# Altium PCB 75200_ctrl_407_v3.0.PcbDoc (part 1 of 2) (continued)
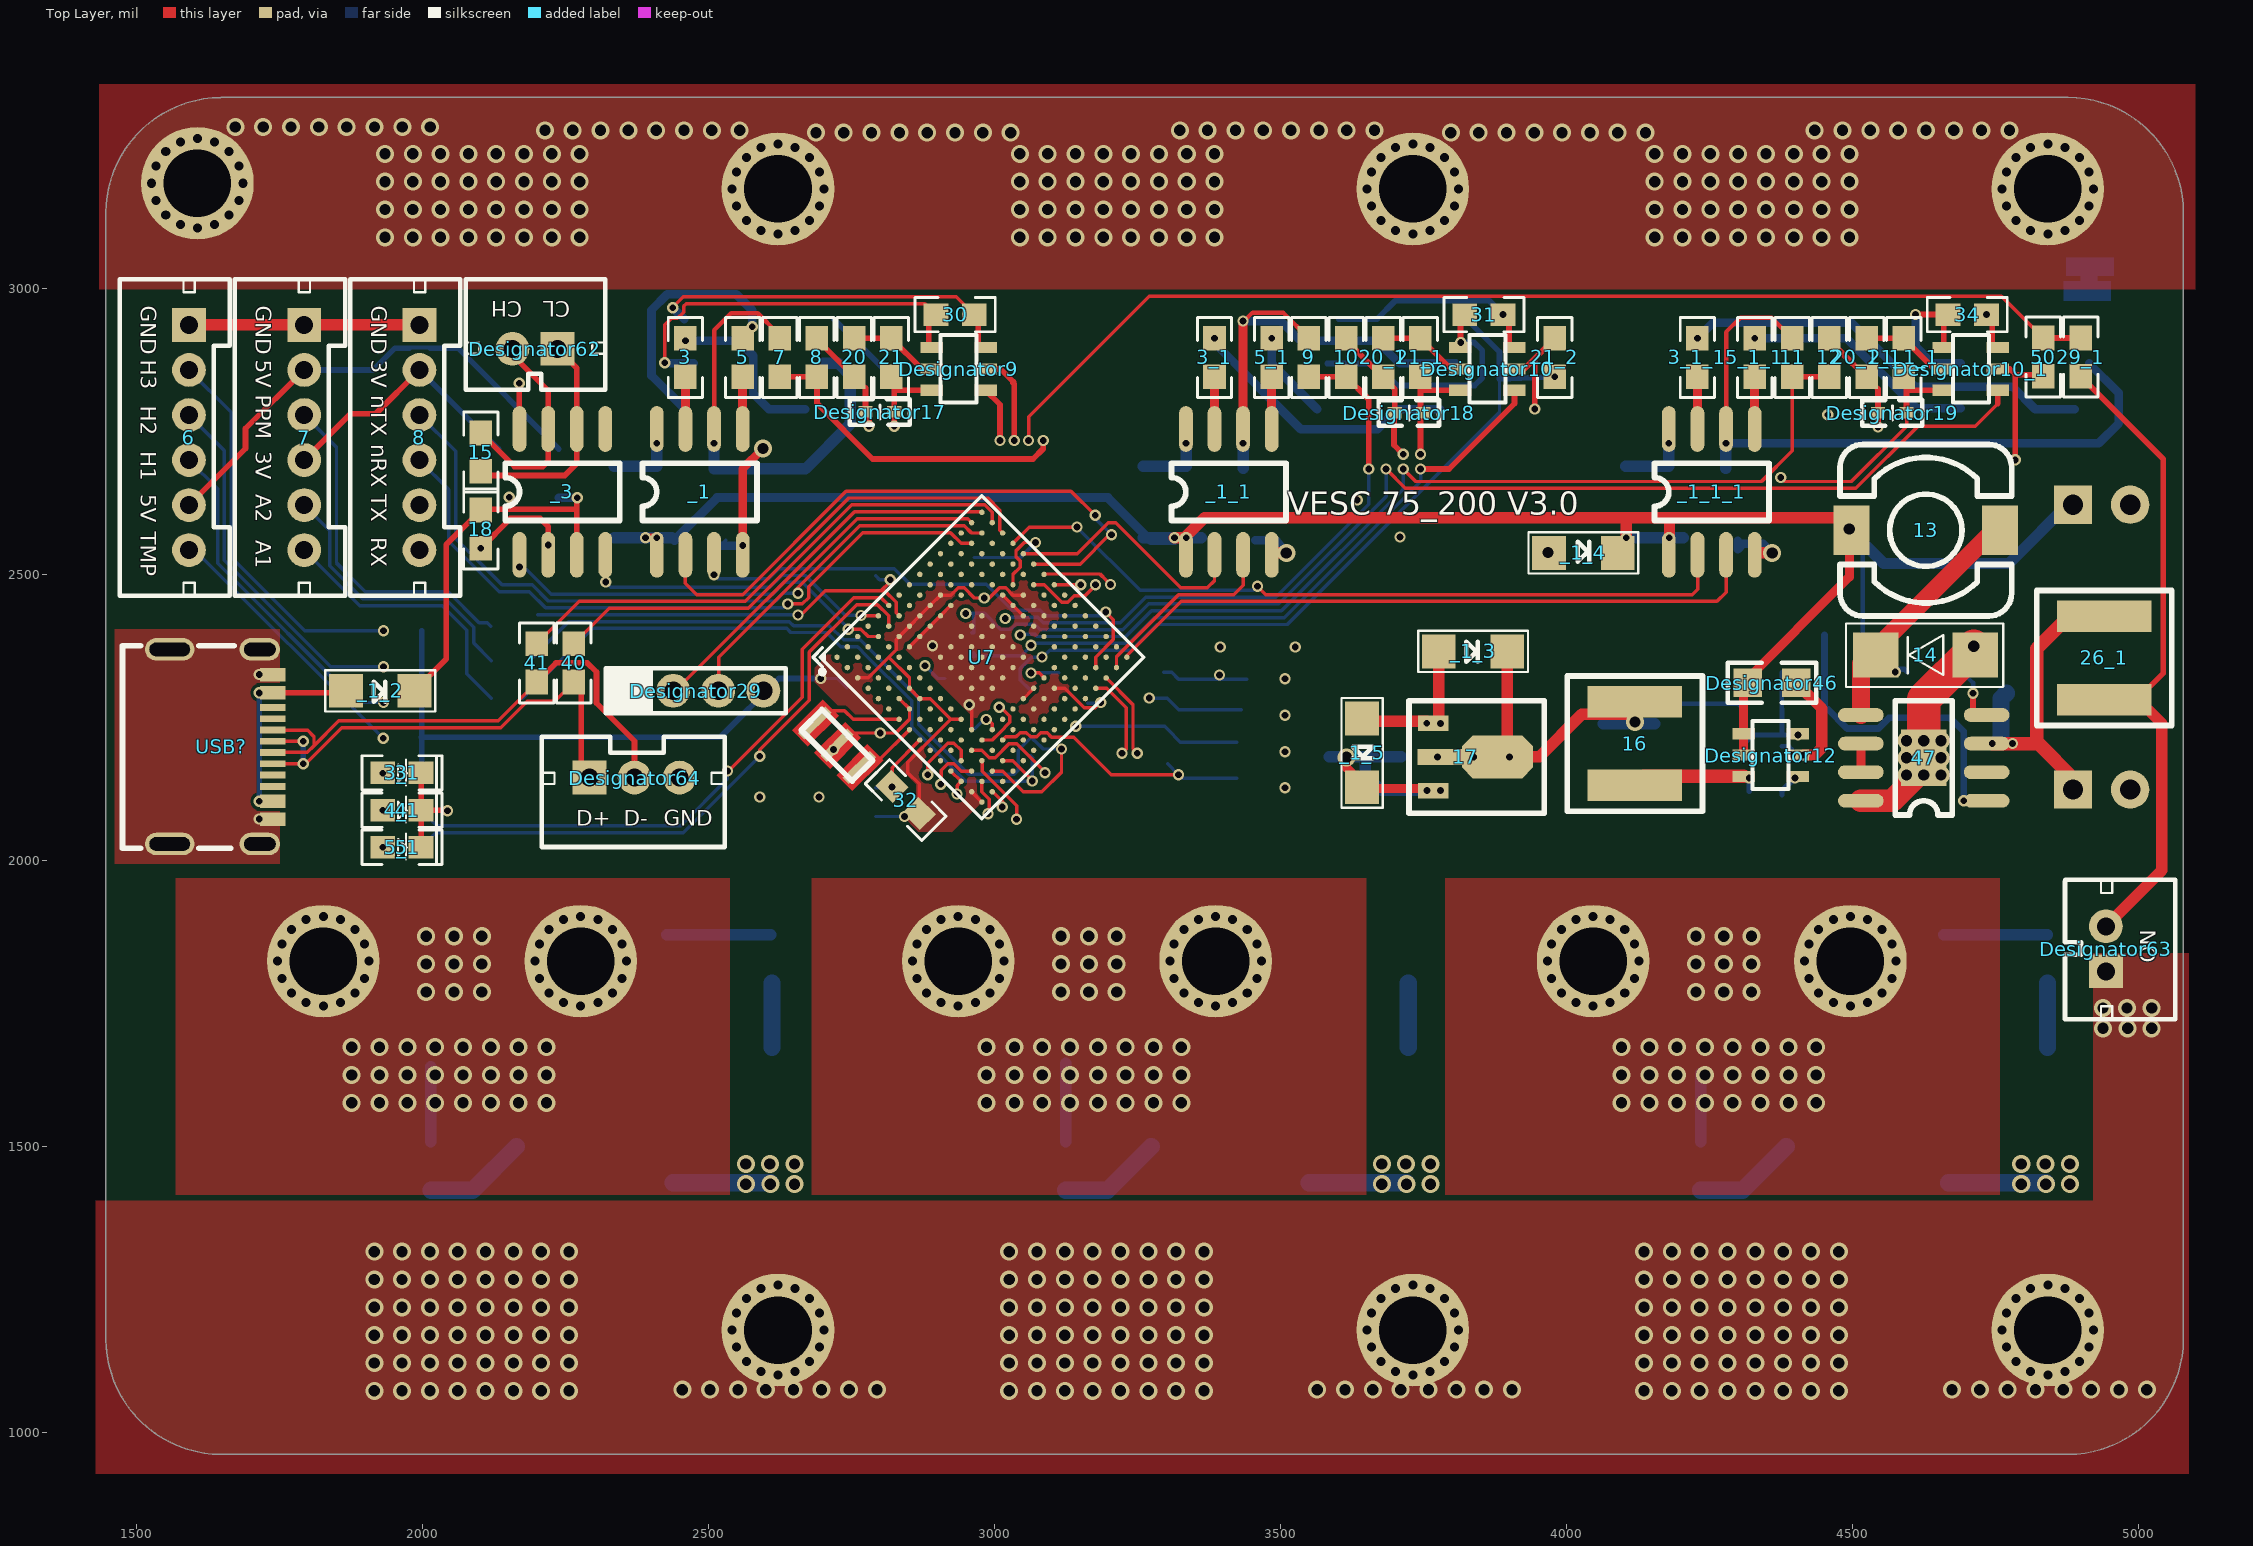
[diagram p0: Top Layer view]
## Components (designator, comment, footprint, x,y, rotation, side; value= is the part's Value field where it differs from the comment)
3 "jb" 0603LED 1964.46,2153.61 r0 top
3 "jb" 0603R 2460,2880 r90 top
3_1 "jb" 0603LED 1964.46,2153.61 r0 top
3_1 "jb" 0603R 3385,2880 r90 top
3_1_1 "jb" 0603R 4229.41,2880 r90 top
3_3_1 "jb" 0603R 2154,2284.13 r0 bottom
3_4_1 "jb" 0603R 2154,2350.13 r0 bottom
4 "jb" 0603LED 1964.46,2088.61 r0 top
4_1 "jb" 0603LED 1964.46,2088.61 r0 top
5 "jb" 0603LED 1964.46,2023.61 r0 top
5 "jb" 0603R 2560,2880 r90 top
5_1 "jb" 0603LED 1964.46,2023.61 r0 top
5_1 "jb" 0603R 3485,2880 r90 top
5_1_1 "jb" 0603R 4329.41,2880 r90 top
6 "Comment" PH2.0-LI-6P 1592,2740.06 r270 top
7 "Comment" PH2.0-LI-6P 1793.5,2740.06 r270 top
7 "jb" 0603R 2625,2880 r90 top
8 "Comment" PH2.0-LI-6P 1995,2740.06 r270 top
8 "jb" 0603R 2690,2880 r90 top
9 "jb" 0603R 3550,2880 r90 top
10 "jb" 0603R 3615,2880 r90 top
11 "jb" 0603R 4395,2880 r90 top
12 "jb" 0603R 4460,2880 r90 top
13 "47uH" SPRH74 4628.67,2578 r270 top (schematic designator L1)
14 "S210" 1N4001 4715,2360 r270 top (schematic designator D1)
15 "jb" 0603R 2102.5,2714.5 r90 top
16 "Comment" SWPA5020S 4120,2205 r90 top
17 "Comment" SOT-89 3967.2,2280.71 r270 top
18 "jb" 0603R 2102.5,2580 r90 top
19 "jb" 0603R 4343.46,2115 r180 bottom
20 "jb" 0603R 2755,2880 r90 top
20_1 "jb" 0603R 3680,2880 r90 top
20_1_1 "jb" 0603R 4525,2880 r90 top
21 "jb" 0603R 2820,2880 r90 top
21_1 "jb" 0603R 3745,2880 r90 top
21_1_1 "jb" 0603R 4590,2880 r90 top
21_2 "jb" 0603R 3980,2880 r90 top
22 "jb" 0603R 4343.46,2265 r180 bottom
23 "jb" 0603R 4343.46,2185 r0 bottom
24 "jb" 0603R 4343.46,2330 r180 bottom
25 "10u/25V" 0805C 4155.15,2149.26 r180 bottom (schematic designator C26)
26_1 "Comment" SWPA5020S 4940.5,2354.63 r270 top
27 "10u/25V" 0805C 4065.15,2149.26 r180 bottom (schematic designator C26)
29_1 "jb" 0603R 4899.5,2880.63 r270 top
30 "jb" 0603R 2931.62,2955 r180 top
31 "jb" 0603R 3856.11,2955 r180 top
32 "jb" 0603R 2845,2106.34 r135 top
34 "jb" 0603R 4701.11,2955 r180 top
35 "jb" 0603R 3775,2214.79 r90 bottom
36 "jb" 0603R 1965,2214.13 r180 bottom
37 "jb" 0603R 1965.54,2402.13 r180 bottom
37_1 "jb" 0603R 3474.67,2190.8 r180 bottom
38 "jb" 0603R 1965.54,2339.47 r180 bottom
38_1 "jb" 0603R 3474.67,2254.47 r180 bottom
39 "jb" 0603R 1965.54,2276.8 r180 bottom
39_1 "jb" 0603R 3474.67,2318.13 r180 bottom
40 "jb" 0603R 2265,2346.02 r270 top
41 "jb" 0603R 2200,2346.02 r270 top
42 "jb" 0603R 1964.46,2023.61 r0 bottom
43 "jb" 0603R 1964.46,2088.61 r0 bottom
44 "jb" 0603R 1964.46,2153.61 r0 bottom
45 "jb" 0603R 3838.17,2214.79 r90 bottom
46_1 "jb" 0603R 3900.67,2215.12 r90 bottom
47 "TPS5430" SO-8-PAD 4625,2180 r180 top (schematic designator TPS1)
49 "jb" 0603R 3474.67,2127.63 r180 bottom
50 "jb" 0603R 4834,2880.63 r270 top
51 "jb" 0603R 2154,2416.16 r0 bottom
52 "jb" 0603R 3711.83,2214.79 r90 bottom
53 "jb" 0603R 3648.67,2214.79 r90 bottom
54 "jb" 0603R 3585.5,2214.79 r90 bottom
_1 "IR21867" SO-8 2410,2535 r90 top (schematic designator U8)
_1_1 "IR21867" SO-8 3335,2535 r90 top (schematic designator U8)
_1_1_1 "IR21867" SO-8 4179.41,2535 r90 top (schematic designator U8)
_1_1_2 "1N4148" 1206R 4764.41,2353.07 r180 bottom
_1_1_3 "1N4148" 1206R 4764.41,2164.65 r180 bottom
_1_2 "1N4148" 1206R 1926.5,2297.25 r270 top
_1_3 "1N4148" 1206R 3837,2366.13 r90 top
_1_4 "1N4148" 1206R 4030,2538.24 r90 top
_1_5 "1N4148" 1206R 3643,2188.63 r0 top
_1_6 "1N4148" 1206R 2335,2625 r180 bottom
_1_6 "10u/25V" 0805C 2440,2560 r90 bottom (schematic designator C26)
_1_6 "10u/25V" 0805C 2416.26,2685.98 r90 bottom (schematic designator C27)
_1_7 "1N4148" 1206R 3260.59,2625 r180 bottom
_1_7 "10u/25V" 0805C 3365.59,2560 r90 bottom (schematic designator C26)
_1_7 "10u/25V" 0805C 3341.85,2685.98 r90 bottom (schematic designator C27)
_1_8 "1N4148" 1206R 4104,2624.76 r180 bottom
_1_8 "10u/25V" 0805C 4209,2559.76 r90 bottom (schematic designator C26)
_1_8 "10u/25V" 0805C 4185.26,2685.74 r90 bottom (schematic designator C27)
_2 "10u/25V" 0805C 4585,2540 r180 bottom (schematic designator C26)
_2 "jb" 0603R 4485,2330 r0 bottom
_2 "jb" 0603R 4630,2330 r0 bottom
_2 "jb" 0603R 4485,2395 r180 bottom
_2 "jb" 0603R 4485,2265 r0 bottom
_2 "100u" 1210 4715,2520 r90 bottom (schematic designator C3)
_3 "IR21867" SO-8 2170,2535 r90 top (schematic designator U8)
Designator9 "Comment" SOT23-6 2985,2822.6 r270 top
Designator10 "Comment" SOT23-6 3909.49,2822.6 r270 top
Designator10_1 "Comment" SOT23-6 4754.49,2822.6 r270 top
Designator12 "Comment" SOT23-6 4404.49,2147.6 r270 top
Designator17 "Comment" 0402L 2777.48,2787.17 r0 top
Designator18 "Comment" 0402L 3702.48,2785.63 r0 top
Designator19 "Comment" 0402L 4547.48,2785.63 r0 top
Designator20 "Comment" 0402L 2962,2532.5 r180 bottom
Designator21 "Comment" 0402L 3160.52,2323.67 r180 bottom
Designator23 "Comment" 0402L 2961.49,2460.67 r180 bottom
Designator27 "Comment" 0402L 2790.02,2304.4 r180 bottom
Designator29 "Comment" HDR2.0-LI-4P 2478.17,2297.36 r0 top
Designator31 "Comment" 0402L 3015,2215.5 r0 bottom
Designator31_1 "Comment" 0805 2238.5,2635.13 r90 bottom
Designator32 "Comment" 0402L 3015,2178.13 r0 bottom
Designator33 "Comment" 0402L 2790.02,2493.98 r180 bottom
Designator34 "Comment" 0402L 3305.48,2174.47 r0 bottom
Designator35 "Comment" 0402L 3161,2277.5 r180 bottom
Designator36 "Comment" 0402L 2961.41,2230.33 r180 bottom
Designator37 "Comment" 0402L 2961.49,2401.16 r180 bottom
Designator38 "Comment" 0402L 2961.41,2361.03 r180 bottom
Designator39 "Comment" 0402L 2961.41,2320.9 r180 bottom
Designator40 "Comment" 0805 2151.5,2635.13 r90 bottom
Designator41 "Comment" 0402L 3015,2296.5 r0 bottom
Designator42 "Comment" 0402L 2790.52,2080.67 r180 bottom
Designator43 "Comment" 0402L 3305.52,2334.63 r0 bottom
Designator44 "Comment" 0402L 3305.48,2227.97 r0 bottom
Designator45 "Comment" 0402L 3305.52,2281.5 r0 bottom
Designator46 "Comment" 0805 4317,2311.13 r0 top
Designator47 "Comment" 0402L 2790.02,2134.17 r180 bottom
Designator47_1 "Comment" 0805 4235,1509.13 r270 bottom
Designator47_1 "Comment" 0805 3125,1509.13 r270 bottom
Designator47_2 "Comment" 0805 2015,1509.13 r270 bottom
Designator47_3 "Comment" 0805 2611.35,1871.13 r270 bottom
Designator47_3_1 "Comment" 0805 3723.85,1871.13 r270 bottom
Designator47_3_2 "Comment" 0805 4841.35,1871.13 r270 bottom
Designator47_3_3 "Comment" 0805 3550.5,1437.13 r270 bottom
Designator47_3_4 "Comment" 0805 2438.5,1437.13 r270 bottom
Designator47_3_5 "Comment" 0805 4668.5,1437.13 r270 bottom
Designator62 "Comment" PH2.0-LI-2P 2197,2895.13 r180 top
Designator63 "Comment" PH2.0-LI-2P 4943.5,1846.13 r90 top
Designator64 "Comment" PH2.0-LI-3P 2371,2145.63 r0 top
Designator74 "Comment" HDR2.54-LI-2P 4936,2622.63 r0 bottom
Designator74_1 "Comment" HDR2.54-LI-2P 4936,2622.63 r0 bottom
Designator75 "Comment" HDR2.54-LI-2P 4936,2124.63 r0 bottom
R11_1_1 "0.5mR" 2512 4379.85,1280.23 r180 bottom (schematic designator R11)
R11_1_1 "0.5mR" 2512 3269.85,1280.23 r180 bottom (schematic designator R11)
R11_1_2 "0.5mR" 2512 2159.85,1280.23 r180 bottom (schematic designator R11)
R11_1_3 "0.5mR" 2512 2613.15,1674.04 r0 bottom (schematic designator R11)
R11_1_3_1 "0.5mR" 2512 3724.65,1674.04 r0 bottom (schematic designator R11)
R11_1_3_2 "0.5mR" 2512 4843.15,1674.04 r0 bottom (schematic designator R11)
U7 "UFBGA-201_L10.0-W10.0-P0.65-BL_STM32F407IGH6" UFBGA-201_L10.0-W10.0-P0.65-BL_STM32F407IGH6 2978.38,2356 r315 top (schematic designator U4)
U? "HDR-SMD_6P-P2.00-V-F-R2-C3-LS6.5" HDR-SMD_6P-P2.00-V-F-R2-C3-LS6.5 2581.27,2868.93 r270 bottom locked
U?1 "HDR-SMD_6P-P2.00-V-F-R2-C3-LS6.5" HDR-SMD_6P-P2.00-V-F-R2-C3-LS6.5 3691.27,2868.93 r270 bottom locked (schematic designator U?)
U?2 "HDR-SMD_6P-P2.00-V-F-R2-C3-LS6.5" HDR-SMD_6P-P2.00-V-F-R2-C3-LS6.5 4801.27,2868.93 r270 bottom locked (schematic designator U?)
USB? "USB-C-SMD_USB-310D-B-SU" USB-C-SMD_USB-310D-B-SU 1606,2199.63 r270 top
X1 "8M" CSTCE 2787.64,2175.53 r135 top

## Footprints (in the part's own frame and the unit in brackets; to place one, negate y for a bottom-side part, rotate by r counter-clockwise, add the part's x,y. Pads: shape width x height; smd on the part's side, far side on the other; paste and mask are expansions set on the pad)
1N4001 [mil]
  rect 79x79 smd: 1(0,0) 2(0,-174)
  silkscreen extent -55,-226 56,49
0402L [mil]
  rect 25x20 smd: 1(-2.48,-2.17) 2(47.52,-2.17)
  silkscreen extent -30,-25 75,20, body extent 7,-12 40,8, height 10
0603LED [mm] "Chip Resistor; Body 1.6 x 0.8 mm (LxW typ)"
  rect 1.1x1 smd: 1(-0.85,0) 2(0.85,0)
  silkscreen extent -1.78,-0.76 1.78,0.76, body extent -0.78,-0.39 0.84,0.41, height 0.8
0603R [mm] "Chip Resistor; Body 1.6 x 0.8 mm (LxW typ)"
  rect 1.1x1 smd: 1(-0.85,0) 2(0.85,0)
  silkscreen extent -1.78,-0.76 1.78,0.76, body extent -0.82,-0.4 0.78,0.42, height 0.65
0805 [mil]
  rect 50x50 smd: 1(0,0) 2(85,0)
  silkscreen extent -35,-35 120,35, body extent 3,-25 81,25, height 22
0805C [mm]
  rect 1.3x1.2 smd: 1(0.004,0.019) 2(0.004,2.305)
  silkscreen extent -1,-1 1,3.3
1206R [mm]
  rect 1.5x1.5 smd: 1(0,1.524) 2(0,-1.524)
  silkscreen extent -0.91,-2.44 0.91,2.44, body extent -0.79,-1.53 0.81,1.67, height 1.2
1210 [mil]
  rect 60x100 smd: 1(0,0) 2(135,0)
  silkscreen extent -50,-70 185,70
2512 [mil]
  rect 130x80 smd: 1(-4.65,0.4) 2(-4.65,220.4)
  silkscreen extent -80,-45 70,265
CSTCE [mm]
  rect 0.4x1.7 smd: 1(0.2,0.65) 2(1.6,0.65) 3(3,0.65)
  silkscreen extent 0,0 3.2,1.3
HDR2.0-LI-4P [mm] "直插，脚距：2.0mm"
  round 1.5 hole 0.8: 1(-3,0) 2(-1,0) 3(1,0) 4(3,0)
  silkscreen extent -4,-1 4,1, body extent -4,-1 4,1, height 6.5
HDR2.54-LI-2P [mm] "排针，2脚"
  rect 1.7x1.7 hole 0.9: 1(-1.27,0)
  round 1.7 hole 0.9: 2(1.27,0)
  silkscreen extent -2.54,-1.27 2.54,1.27, body extent -2.54,-1.27 2.54,1.27, height 8.5
HDR-SMD_6P-P2.00-V-F-R2-C3-LS6.5 [mm]
  rect 0.89x3 smd: 1(-1.985,-2.235) 2(-1.985,2.265) 3(0.015,-2.235) 4(0.015,2.265) 5(2.015,-2.235) 6(2.015,2.265)
  silkscreen extent -3.39,-3.03 3.42,2.09
PH2.0-LI-2P [mm] "长：5.9mm，宽：4.7mm，高：6mm"
  rect 1.5x1.5 hole 0.8: 1(-1,0)
  round 1.5 hole 0.8: 2(1,0)
  silkscreen extent -3.13,-3.08 3.06,1.82, body extent -2.95,-3 2.95,1.7, height 6.01
PH2.0-LI-3P [mm] "长：7.9mm，宽：4.7mm，高：6mm"
  rect 1.5x1.5 hole 0.8: 1(-2,0)
  round 1.5 hole 0.8: 2(0,0) 3(2,0)
  silkscreen extent -4.13,-3.08 4,1.82, body extent -3.95,-3 3.95,1.7, height 6.01
PH2.0-LI-6P [mm] "长：13.9mm，宽：4.7mm，高：6mm"
  rect 1.5x1.5 hole 0.8: 1(-5,0)
  round 1.5 hole 0.8: 2(-3,0) 3(-1,0) 4(1,0) 5(3,0) 6(5,0)
  silkscreen extent -7.03,-3.08 7.03,1.82, body extent -6.95,-3 6.95,1.7, height 6.01
SO-8 [mil]
  oval 80x24 smd: 1(0,0) 2(0,-50) 3(0,-100) 4(0,-150) 5(220,-150) 6(220,-100) 7(220,-50) 8(220,0)
  silkscreen extent 60,-175 160,25
SO-8-PAD [mil]
  oval 80x24 smd: 1(-110,75) 2(-110,25) 3(-110,-25) 4(-110,-75) 5(110,-75) 6(110,-25) 7(110,25) 8(110,75)
  rect 78.74x98.43 smd: 9(0,0)
  silkscreen extent -50,-100 50,100
SOT23-6 [mm]
  rect 0.5x1 smd: 1(0,0) 2(-0.95,0) 3(-1.9,0) 4(-1.9,-2.4) 5(-0.95,-2.4) 6(0,-2.4)
  silkscreen extent -2.45,-2 0.55,-0.4, body extent -2.4,-2.6 0.5,0.2, height 1.09
SOT-89 [mm]
  rect 0.7x1.35 smd: 1(1.016,-5.08) 3(4.016,-5.08)
  oct 1.9x3.15 smd: 2(2.516,-2.215)
  rect 0.7x1.99 smd: 2(2.516,-4.785)
  silkscreen extent 0.02,-6.15 5.02,-0.15
SPRH74 [mm]
  rect 2.2x1.6 smd: 1(0,3.302) 2(0,-3.302)
  silkscreen extent -3.81,-3.81 3.81,3.81
SWPA5020S [mm] "轮廓5mm*5mm ，焊盘间距2.3mm        淘宝ID:黄晶宝石"
  rect 1.4x4.2 smd: 1(-1.85,0) 2(1.85,0)
  silkscreen extent -3,-3 3,3, body extent -2.5,-2.5 2.5,2.5, height 2
UFBGA-201_L10.0-W10.0-P0.65-BL_STM32F407IGH6 [mil]
  round 9.5 smd: A1(-179.13,-179.13) A2(-179.13,-153.54) A3(-179.13,-127.95) A4(-179.13,-102.36) A5(-179.13,-76.77) A6(-179.13,-51.18) A7(-179.13,-25.59) A8(-179.13,0) A9(-179.13,25.59) A10(-179.13,51.18) A11(-179.13,76.77) A12(-179.13,102.36) A13(-179.13,127.95) A14(-179.13,153.54) A15(-179.13,179.13) B1(-153.54,-179.13) B2(-153.54,-153.54) B3(-153.54,-127.95) B4(-153.54,-102.36) B5(-153.54,-76.77) B6(-153.54,-51.18) B7(-153.54,-25.59) B8(-153.54,0) B9(-153.54,25.59) B10(-153.54,51.18) B11(-153.54,76.77) B12(-153.54,102.36) B13(-153.54,127.95) B14(-153.54,153.54) B15(-153.54,179.14) C1(-127.95,-179.13) C2(-127.95,-153.54) C3(-127.95,-127.95) C4(-127.95,-102.36) C5(-127.95,-76.77) C6(-127.95,-51.18) C7(-127.95,-25.59) C8(-127.95,0) C9(-127.95,25.59) C10(-127.95,51.18) C11(-127.95,76.77) C12(-127.95,102.36) C13(-127.95,127.95) C14(-127.95,153.54) C15(-127.95,179.13) D1(-102.36,-179.13) D2(-102.36,-153.54) D3(-102.36,-127.95) D4(-102.36,-102.36) D5(-102.36,-76.77) D6(-102.36,-51.18) D7(-102.36,-25.59) D8(-102.36,0) D9(-102.36,25.59) D10(-102.36,51.18) D11(-102.36,76.77) D12(-102.36,102.36) D13(-102.36,127.95) D14(-102.36,153.54) D15(-102.36,179.13) E1(-76.77,-179.13) E2(-76.77,-153.54) E3(-76.77,-127.95) E4(-76.77,-102.36) E12(-76.77,102.36) E13(-76.77,127.95) E14(-76.77,153.54) E15(-76.77,179.14) F1(-51.18,-179.13) F2(-51.18,-153.54) F3(-51.18,-127.95) F4(-51.18,-102.36) F6(-51.18,-51.18) F7(-51.18,-25.59) F8(-51.18,0) F9(-51.18,25.59) F10(-51.18,51.18) F12(-51.18,102.36) F13(-51.18,127.95) F14(-51.18,153.54) F15(-51.18,179.13) G1(-25.59,-179.13) G2(-25.59,-153.54) G3(-25.59,-127.95) G4(-25.59,-102.36) G6(-25.59,-51.18) G7(-25.59,-25.59) G8(-25.59,0) G9(-25.59,25.59) G10(-25.59,51.18) G12(-25.59,102.36) G13(-25.59,127.95) G14(-25.59,153.54) G15(-25.59,179.13) H1(0,-179.13) H2(0,-153.54) H3(0,-127.95) H4(0,-102.36) H6(0,-51.18) H7(0,-25.59) H8(0,0) H9(0,25.59) H10(0,51.18) H12(0,102.36) H13(0,127.95) H14(0,153.54) H15(0,179.14) J1(25.59,-179.13) J2(25.59,-153.54) J3(25.59,-127.95) J4(25.59,-102.36) J6(25.59,-51.18) J7(25.59,-25.59) J8(25.59,0) J9(25.59,25.59) J10(25.59,51.18) J12(25.59,102.36) J13(25.59,127.95) J14(25.59,153.54) J15(25.59,179.13) K1(51.18,-179.13) K2(51.18,-153.54) K3(51.18,-127.95) K4(51.18,-102.36) K6(51.18,-51.18) K7(51.18,-25.59) K8(51.18,0) K9(51.18,25.59) K10(51.18,51.18) K12(51.18,102.36) K13(51.18,127.95) K14(51.18,153.54) K15(51.18,179.13) L1(76.77,-179.13) L2(76.77,-153.54) L3(76.77,-127.95) L4(76.77,-102.36) L12(76.77,102.36) L13(76.77,127.95) L14(76.77,153.54) L15(76.77,179.14) M1(102.36,-179.13) M2(102.36,-153.54) M3(102.36,-127.95) M4(102.36,-102.36) M5(102.36,-76.77) M6(102.36,-51.18) M7(102.36,-25.59) M8(102.36,0) M9(102.36,25.59) M10(102.36,51.18) M11(102.36,76.77) M12(102.36,102.36) M13(102.36,127.95) M14(102.36,153.54) M15(102.36,179.13) N1(127.95,-179.13) N2(127.95,-153.54) N3(127.95,-127.95) N4(127.95,-102.36) N5(127.95,-76.77) N6(127.95,-51.18) N7(127.95,-25.59) N8(127.95,0) N9(127.95,25.59) N10(127.95,51.18) N11(127.95,76.77) N12(127.95,102.36) N13(127.95,127.95) N14(127.95,153.54) N15(127.95,179.13) P1(153.54,-179.13) P2(153.54,-153.54) P3(153.54,-127.95) P4(153.54,-102.36) P5(153.54,-76.77) P6(153.54,-51.18) P7(153.54,-25.59) P8(153.54,0) P9(153.54,25.59) P10(153.54,51.18) P11(153.54,76.77) P12(153.54,102.36) P13(153.54,127.95) P14(153.54,153.54) P15(153.54,179.14) R1(179.13,-179.13) R2(179.13,-153.54) R3(179.13,-127.95) R4(179.13,-102.36) R5(179.13,-76.77) R6(179.13,-51.18) R7(179.13,-25.59) R8(179.13,0) R9(179.13,25.59) R10(179.13,51.18) R11(179.13,76.77) R12(179.13,102.36) R13(179.13,127.95) R14(179.13,153.54) R15(179.13,179.13)
  silkscreen extent -209,-220 200,200
USB-C-SMD_USB-310D-B-SU [mm]
  oval 1x1.8 hole 0.6 slot 1.4 at 90 deg: 13(4.32,2.791) 16(-4.32,2.791)
  oval 1x2.2 hole 0.6 slot 1.8 at 90 deg: 14(4.32,-1.209) 15(-4.32,-1.209)
  rect 0.3x1.15 smd: A1(-3.335,3.366) A4(-2.535,3.366) A5(-1.235,3.366) A6(-0.235,3.366) A7(0.265,3.366) A8(1.265,3.366) A9(2.565,3.366) A12(3.365,3.366) B1(3.065,3.366) B4(2.265,3.366) B5(1.765,3.366) B6(0.765,3.366) B7(-0.735,3.366) B8(-1.735,3.366) B9(-2.235,3.366) B12(-3.035,3.366)
  silkscreen extent -4.49,-3.31 4.51,1.64

## Part data
13: library part Inductor, "Inductor"
14: library part "Diode 1N4005", "1 Amp General Purpose Rectifier"
25 27 _1_6 _1_7 _1_8 _2: library part C0805-1uF/25V, "X5R,20%"
_1 _1_1 _1_1_1 _3: library part IR2301S
_1_6 _1_7 _1_8: library part Cap, "Capacitor"
_2: library part "Cap Pol3", "Polarized Capacitor (Surface Mount)"
R11_1_1 R11_1_1 R11_1_2 R11_1_3 R11_1_3_1 R11_1_3_2: library part Res2, "Resistor"

## Free pads (board coordinates)
  round 196.85 hole 118.11: 4(1606.85,3184.64) 4(1826.85,1824.64) 4(2276.85,1824.64) 4(2621.85,1179.64) 4(2621.85,3174.64) 4(2936.85,1824.64) 4(3386.85,1824.64) 4(3731.85,1179.64) 4(3731.85,3174.64) 4(4046.85,1824.64) 4(4496.85,1824.64) 4(4841.85,1179.64) 4(4841.85,3174.64)

## Via types
v1: diameter 31.5, hole 19.68, Top Layer to Bottom Layer, 453 vias
v2: diameter 19.68, hole 15.75, Top Layer to Bottom Layer, 208 vias
v3: diameter 19.68, hole 11.81, Top Layer to Bottom Layer, 145 vias

## Nets (pads, with @x,y where several pads share a name; then routed paths per layer and width w, separated by ;. In a path a pad name is that pad's centre, name@x,y a point inside that pad or via, vN(x,y) a via of type N, cw(c..) or ccw(c..) an arc to the next point about the centre after c; other vN are vias at no path point)
1.65v: 20.2 20_1.2 20_1_1.2 21.2 21_1.2 21_1_1.2 Designator9.5 Designator10.5 Designator10_1.5 | length 471.9
  Top Layer w7.87: Designator9.5@2873.46,2860 Designator9.5@2890.51,2860 ; Designator10.5@3798.46,2860 Designator10.5@3815,2860 ; Designator10_1.5@4643.46,2860 Designator10_1.5@4660,2860
  Top Layer w10: 20.2@2755,2913.46 21.2@2820,2913.46 Designator9.5@2873.46,2860 ; 20_1.2@3680,2913.46 21_1.2@3745,2913.46 Designator10.5@3798.46,2860 ; 20_1_1.2@4525,2913.46 21_1_1.2@4590,2913.46 Designator10_1.5@4643.46,2860
3v3: 17.3 21.1 21_1.1 21_1_1.1 32.1 36.1 37.1 38.1 39.1 44.2 52.1 53.1 54.1 _1_5.2 Designator9.6 Designator10.6 Designator10_1.6 Designator17.2 Designator18.2 Designator19.2 Designator23.1 Designator27.2 Designator29.4 Designator35.1 Designator40.1 Designator42.1 U7.C1 U7.C5 U7.C6 U7.C7 U7.C8 U7.C9 U7.F3 U7.G3 U7.G13 U7.H13 U7.J12 U7.J13 U7.K4 U7.N8 U7.N9 U7.N10 U7.P1 U7.R1 U?.1 | length 7457.8
  Top Layer w6: U7.C1@2760.16,2318.74 U7.C1@2761.24,2319.81 2779.36,2319.81 2828.27,2368.72 2828.27,2386.85 U7.C5@2833.62,2392.19 U7.C8@2887.91,2446.48 U7.C9@2906,2464.57 2924.16,2464.57 2936.91,2477.32 2947.47,2477.32 2965.29,2459.5 v3(2982.5,2459.5) 2991.34,2459.5 3009.16,2477.32 3019.98,2477.32 3032.73,2464.57 U7.G13@3050.76,2464.57 ; 2815.81,2355.78 2851.71,2319.88 U7.F3@2851.71,2301.71 U7.G3@2869.81,2283.62 2870.11,2283.92 2870.54,2283.5 2888.09,2283.5 2924.1,2247.49 ; 21.1@2820,2846.54 21.1@2825,2841.54 ; 32.1@2864.66,2086.68 32.1@2868.66,2082.67 2868.66,2134.69 2849,2154.35 2849,2172.4 2924.1,2247.49 ; U7.K4@2942.19,2247.43 2924.16,2247.43 2924.1,2247.49 ; U7.P1@2962.85,2118.2 U7.R1@2978.38,2102.67 ; U7.N10@3105.05,2301.71 3123.08,2301.71 3157.29,2267.5 3176.7,2267.5 v3(3186,2276.8) ; v3(4375,2670) 4381.84,2663.16 4498.16,2663.16 4595,2760 Designator19.2@4595,2783.46
  Top Layer w10: v3(2825,2760) Designator17.2@2825,2785 2825,2822.6 ; 21.1@2825,2841.54 2825,2822.6 ; Designator9.6@2890.51,2822.6 2825,2822.6 ; 21_1.1@3745,2846.54 3745,2822.6 ; v3(3745.31,2711) 3745.31,2822.28 3745,2822.6 ; Designator10.6@3815,2822.6 3745,2822.6 ; Designator19.2@4595,2783.46 4595,2822.6 ; 21_1_1.1@4595,2850 4595,2822.6 ; Designator10_1.6@4660,2822.6 4595,2822.6
  Top Layer w15.75: v1(3616,2181) 3616,2162.5 3652.4,2126.1 17.3@3780,2126.1
  Signal Layer 2 w10: 2696.5,2631.5 v3(2825,2760) ; 3186,2027.5 v3(3186,2276.8) ; v1@3617.63,2182.63 3788.5,2353.5 3788.5,2685 ; v3(3745.31,2711) 3762.5,2711 3788.5,2685 ; v3(4375,2670) 4360,2685 3788.5,2685
  Signal Layer 2 w15: v3(2152,2635.63) 2189.87,2673.5 2318,2673.5 2360,2631.5 2696.5,2631.5 v3(2696.5,2318.74) ; Designator29.4@2596.28,2297.36 2617.66,2318.74 v3(2696.5,2318.74) ; v1@3617.63,2182.63 v1(3616,2181) 3616,2078.5 3561,2023.5 2897,2023.5 v3(2843,2077.5) 2844.68,2079.18 2844.68,2234.32 2760.26,2318.74 v3(2696.5,2318.74) ; v3(3756.5,2122.94) v3(3780,2122.94)
  Bottom Layer w6: v3(2696.5,2318.74) 2726,2318.74 Designator27.2@2742.5,2302.24 ; Designator42.1@2792.98,2077.5 v3(2843,2077.5) ; Designator35.1@3163.48,2275.33 3184.53,2275.33 v3(3186,2276.8)
  Bottom Layer w10: 44.2@1997.93,2153.61 1999,2154.68 36.1@1999,2216.13 ; 36.1@1998.46,2216.13 36.1@1999,2216.13 ; 37.1@1999,2402.13 38.1@1999,2339.47 39.1@1999,2276.8 36.1@1999,2216.13 ; v3(2696.5,2318.74) 2623.66,2318.74 2521.05,2216.13 36.1@1999,2216.13 ; U?.1@2719.45,2947.08 2825,2841.54 v3(2825,2760)
  Bottom Layer w20: 54.1@3585.5,2181.65 3648.67,2181.65 52.1@3711.51,2181.65 ; 53.1@3648.67,2181.33 3648.67,2151.37 3677.1,2122.94 v3(3756.5,2122.94) v3(3780,2122.94)
3v3out: 7.4 8.2@1995,2858.17 Designator40.2 | length 461.9
  Top Layer w10: 7.4@1793.5,2700.69 1874.44,2781.63 1918.46,2781.63 8.2@1995,2858.17
  Bottom Layer w10: 8.2@1995,2858.17 Designator40.2@2133.04,2720.13
5v: 16.2 17.2 18.2 22.2 24.2 25.2 27.2 35.1 45.1 46_1.1 _1_2.1 _1_3.2 _3.3 Designator31_1.1 | length 4023.8
  Top Layer w6: 17.2@3880,2185.15 17.2@3897,2202.15
  Top Layer w10: _1_2.1@1986.5,2297.25 2042,2352.75 2042,2552.96 18.2@2102.5,2613.46 2103.54,2614.5 2269,2614.5 2270,2615.5 ; _3.3@2270,2552.05 2270,2615.5 ; v3(2270.99,2634.63) 2270,2633.65 2270,2615.5
  Top Layer w15: 16.2@4083.05,2270 16.2@4172.44,2270
  Top Layer w20: v3(3775,2181.33) v3(3838.17,2181.33) ; 17.2@3880,2185.15 17.2@3892.09,2173.07 ; 17.2@3897,2202.15 _1_3.2@3897,2366.13 ; 17.2@3908.5,2181.65 3952.65,2181.65 4027.13,2256.13 16.2@4120,2256.13
  Signal Layer 2 w15: v3(2270.99,2634.63) 2270.99,2553.04 2222.5,2504.55 2222.5,2105 2325,2002.5 3569.7,2002.5 3748.53,2181.33 v3(3775,2181.33) v3(3838.17,2181.33) v3@3900.67,2181.33
  Bottom Layer w6: Designator31_1.1@2238.5,2635.13 Designator31_1.1@2239,2634.63
  Bottom Layer w7.87: 25.2@4170,2260 4185,2275 4300,2275 22.2@4310,2265 24.2@4310,2330
  Bottom Layer w15: Designator31_1.1@2239,2634.63 v3(2270.99,2634.63)
  Bottom Layer w20: 35.1@3775,2181.65 v3(3900.67,2181.65) ; 27.2@4065,2240 25.2@4155,2240
  other v1: 4120,2242.63
5vin: _1_2.2 USB?.A4 USB?.A9 USB?.B4 USB?.B9 | length 337.4
  Top Layer w10: v3(1715,2293.63) _1_2.2@1862.89,2293.63
  Bottom Layer w10: v3(1715,2104.13) v3(1715,2293.63)
5vout: 6.5 7.2@1793.5,2858.17 Designator31_1.2 | length 858.3
  Top Layer w10: 6.5@1592,2621.95 1691,2720.95 1691,2755.67 7.2@1793.5,2858.17
  Bottom Layer w7.5: 1976.32,2897.45 2018,2897.45
  Bottom Layer w10: 7.2@1793.5,2858.17 1913.76,2858.01 1952.14,2896.39 1977.14,2896.39 ; 2014.1,2896.39 2062.25,2896.39 Designator31_1.2@2238.5,2720.13
12v: 13.2 _1.1 _1_1.1 _1_1_1.1 _1_4.2 _1_6.1@2440.74,2560.15 _1_6.2@2335,2565 _1_7.1@3366.33,2560.15 _1_7.2@3260.59,2565 _1_8.1@4209.74,2559.91 _1_8.2@4104,2564.76 _2.1@4518.46,2395 _2.1@4584.85,2540.74 _2.1@4715,2520 _2.2@4518.46,2330 Designator12.4 Designator12.5 Designator46.1 Designator74.1 Designator74_1.1 | length 3743.5
  Top Layer w15: v3(2390,2565) v3(2410,2565)
  Top Layer w15.75: Designator12.5@4310,2185 Designator12.4@4310,2222.4 Designator46.1@4310,2311.27 ; Designator46.1@4310,2314.77 Designator46.1@4310,2311.27 ; 13.2@4475,2600 v1(4495,2580) 4495,2496.27 Designator46.1@4310,2311.27
  Top Layer w20: v3(3315,2565) 3332.51,2565 3367.51,2600 4105,2600 ; v3(4105,2565) 4105,2600 ; _1_1_1.1@4180.5,2535 4180.5,2600 ; 13.2@4475,2600 4180.5,2600 ; 4105,2600 4180.5,2600
  Signal Layer 2 w6: v3@3315,2560 v3@3335.75,2560
  Bottom Layer w7.87: _2.2@4518.46,2330 _2.1@4518.46,2395 4518.46,2553.46
  Bottom Layer w15.75: _1_6.1@2440.74,2560.15 2515.59,2635 3198.54,2635 3268.54,2565 3273.79,2559.75 v3@3315,2559.75
  Bottom Layer w19.68: _1_6.2@2335,2565 v3(2390,2565) v3(2410,2565) ; _1_7.2@3260.59,2565 3268.54,2565 v3(3315,2565) v3@3335.59,2565 ; _1_8.2@4104,2564.76 v3@4179,2564.76 ; v1(4495,2580) 4555,2520 _2.1@4715,2520 4773.87,2520 Designator74_1.1@4886,2632.13
  Bottom Layer w20: v3(2410,2565) _1_6.1@2435.89,2565 ; v3@3335.59,2565 v3(3335.75,2565) _1_7.1@3361.48,2565 ; v3@4179,2564.76 _1_8.1@4204.89,2564.76
  other v3: 4180,2565
ad1: 3_3_1.1 7.6 | length 479.2
  Bottom Layer w6: 7.6@1793.5,2543.21 1890.48,2446.23 1921.98,2446.23 2035.05,2446.23 2077.88,2403.4 2077.88,2326.79 3_3_1.1@2120.54,2284.13
ad2: 3_4_1.1 7.5 | length 492
  Bottom Layer w6: 7.5@1793.5,2621.95 1838,2577.45 1838,2515.68 1895.45,2458.23 2040.03,2458.23 2089.88,2408.37 2089.88,2380.79 3_4_1.1@2120.54,2350.13
adc1: 3_3_1.2 Designator32.2 U7.P4 | length 1200.4
  Top Layer w6: U7.P4@3014.57,2175.05 3032.6,2175.05 3066.5,2141.15 v3(3066.5,2139.5)
  Bottom Layer w6: 3_3_1.2@2175.53,2284.13 2297.69,2406.29 2636.9,2406.29 2644.03,2399.16 2706.72,2399.16 2731.72,2374.16 2760.87,2374.16 2766.26,2368.76 ; Designator32.2@3063.5,2183.82 3066.89,2180.42 3066.5,2180.03 v3(3066.5,2139.5) 2950,2139.5 2855.5,2234 2855.5,2279.53 2772,2363.02 ; 2766.26,2368.76 2772,2363.02 ; 2766.26,2368.76 2772,2363.02
adc2: 3_4_1.2 Designator31.2 U7.P3 | length 1342.2
  Top Layer w6: U7.P3@2996.48,2156.95 3014.64,2156.95 3050.93,2120.66 3083.16,2120.66 3117.5,2155 v3(3117.5,2195.5)
  Bottom Layer w6: 3_4_1.2@2187.46,2350.13 2255.62,2418.29 2641.87,2418.29 2649,2411.16 2711.7,2411.16 2736.7,2386.16 2765.84,2386.16 2867.5,2284.5 2867.5,2238.97 2954.97,2151.5 3035,2151.5 3042.02,2158.52 3042.02,2193.61 3064.3,2215.89 3070.3,2209.89 3070.71,2210.29 3085.5,2195.5 v3(3117.5,2195.5)
anin: 29_1.1 50.1 Designator36.1 U7.M5 | length 2630.2
  Top Layer w6: v3@2983.5,2245.54 v3@2985.04,2244.01 ; v3@2985.5,2250.5 2996.48,2239.52 U7.M5@2996.48,2229.33 ; v3(3060,2735) 3060,2776.54 3270.6,2987.13 4760.96,2987.13 50.1@4834,2914.1
  Top Layer w10: 50.1@4834,2914.1 29_1.1@4899.5,2914.1
  Signal Layer 2 w6: v3@2984.84,2249.16 2984.5,2249.5 v3@2985.5,2250.5 ; v3(2986,2247) 3027.12,2247 3035.5,2255.38 3035.5,2279.44 3009.16,2305.78 3009.16,2406.7 3000.16,2415.7 3000.16,2431.3 3013.3,2444.45 3013.3,2664.78 3060,2711.47 v3(3060,2735)
  Bottom Layer w6: Designator36.1@2963.89,2230.67 2965.67,2230.67 v3@2985.5,2250.5
bst1: 47.4 _2.2@4663.46,2330 | length 130.2
  Top Layer w6: 47.4@4720,2255 47.4@4735,2255
  Top Layer w10: v3(4711.15,2293.07) 4711.15,2263.85 47.4@4720,2255
  Bottom Layer w7.87: _2.2@4663.46,2330 4692.14,2330 4711.15,2310.99 v3(4711.15,2293.07)
bst2: 19.1 Designator12.1 | length 39.6
  Bottom Layer w9: 19.1@4376.93,2115 19.1@4376.93,2121.93
  Bottom Layer w10: 19.1@4376.93,2121.93 v3(4400,2145)
C1: Designator9.1 Designator39.2 U7.M2 | length 927.6
  Top Layer w6: v3(2883.5,2150.5) 2883.5,2170.58 2918.82,2205.89 2929.38,2205.89 2942.19,2193.08 U7.M2@2942.19,2175.05
  Top Layer w10: Designator9.1@2985,2822.6 3010,2797.6 v3(3010,2735)
  Signal Layer 2 w6: v3(2879,2341) 2910.94,2341 ; v3(2883.5,2150.5) 2910.94,2177.94 2910.94,2341 ; v3(3010,2735) 2910.94,2635.94 2910.94,2341
  Bottom Layer w6: v3(2879,2341) 2901.26,2318.74 Designator39.2@2913.89,2318.74
C2: Designator10.1 Designator38.1 U7.M3 | length 1590.6
  Top Layer w6: U7.M3@2960.29,2193.14 2978.45,2193.14 2991.2,2180.39 3001.76,2180.39 3026.43,2205.07 3038.93,2205.07 ; 3038.98,2204.98 3088.5,2155.47 v3(3088.5,2154)
  Top Layer w10: v3(3745.31,2685) 3795,2685 3909.49,2799.49 Designator10.1@3909.49,2822.6
  Signal Layer 2 w6: v3(3064,2377) 3045.16,2358.16 3045.16,2320.7 3071.5,2294.35 3071.5,2170.5 3087.5,2154.5 v3@3095.5,2154.5
  Bottom Layer w6: Designator38.1@2963.89,2358.5 3047,2358.5 3064,2375.5 v3(3064,2377) 3065.5,2377 3068.66,2380.16 3234.83,2380.16 3279.83,2425.16 3507.13,2425.16 3745.31,2663.34 v3(3745.31,2685)
  Bottom Layer w9: Designator38.1@2963.89,2357.83 2963.89,2358.5 Designator38.1@2963.89,2358.86 Designator38.1@2963.89,2361.97
C3: Designator10_1.1 Designator37.1 U7.M4 | length 2394.3
  Top Layer w6: U7.M4@2978.38,2211.24 2996.41,2211.24 3009.23,2224.05 3027.32,2242.15 3027.32,2252.71 3011.53,2268.5 v3(3008.5,2268.5) ; v3@3009.23,2264.83 v3@3010.9,2266.5 ; v3(3685,2685) 3718.84,2651.16 4506.16,2651.16 4615,2760 4715,2760 4754.49,2799.49
  Top Layer w10: 4754.49,2799.49 Designator10_1.1@4754.49,2822.6
  Signal Layer 2 w6: v3(2950,2432.5) 2950,2326.5 3008,2268.5 v3(3008.5,2268.5)
  Bottom Layer w6: v3(2950,2432.5) 2963.89,2432.5 ; Designator37.1@2960.92,2398.99 Designator37.1@2963.97,2398.99 2963.97,2432.42 2963.89,2432.5 ; v3(3008.5,2268.5) 3008.5,2269.29 v3@3009.55,2270.34 ; v3(3685,2685) 3685,2636.97 3497.19,2449.16 3269.89,2449.16 3224.89,2404.16 3080.46,2404.16 3070.78,2413.84 3037.7,2413.84 3028.51,2404.66 3010.77,2404.66 2982.92,2432.5 2963.89,2432.5
can_rx: _3.4 U7.A5 | length 564.9
  Top Layer w6: _3.4@2320,2535 2320.5,2534.5 v3(2320.5,2487.5) ; v3@2767,2428.38 U7.A5@2797.43,2428.38
  Bottom Layer w6: v3(2320.5,2487.5) 2329.71,2478.29 2607.57,2478.29 2628.1,2498.82 2669.58,2498.82 2739.4,2429 v3@2766,2429
  other v3: 2767,2429
can_tx: _3.1 U7.B4 | length 690.6
  Top Layer w6: v3@2750.56,2404.94 2766.65,2404.94 2779.4,2392.19 U7.B4@2797.43,2392.19
  Bottom Layer w6: v3(2170,2513.64) 2177.98,2513.64 2225.34,2466.29 2612.54,2466.29 2633.07,2486.82 2664.61,2486.82 2745.47,2405.97 v3(2744.5,2405)
CANH: 15.2 _3.7 Designator62.2 | length 378.5
  Top Layer w10: 15.2@2088,2741 15.2@2098.96,2741 ; 15.2@2092,2747.96 15.2@2098.96,2741 ; Designator62.2@2157.63,2884.5 2220,2822.13 _3.7@2220,2755 2220,2699 2210.5,2689.5 2160.96,2689.5 2109.46,2741 15.2@2098.96,2741
CANL: 15.1 _3.6 Designator62.1 | length 555.3
  Top Layer w10: 15.1@2092,2673.5 2249,2673.5 2270,2694.5 _3.6@2270,2755 ; _3.6@2270,2755 2270,2861.5 ; _3.6@2270,2755 2270,2861.5 ; 2270,2861.5 Designator62.1@2236.37,2895.13 2270,2861.5
CU: _1.8 _1_6.1@2335,2685 _1_6.1@2417,2686.13 | length 101.5
  Bottom Layer w19.68: _1_6.1@2335,2690 _1_6.1@2410.1,2690 ; _1_6.1@2410,2703.13 v3@2410,2729.5
  other v3: 2410,2730
CV: _1_1.8 _1_7.1@3260.59,2685 _1_7.1@3342.59,2686.13 | length 101.5
  Bottom Layer w19.68: _1_7.1@3260.59,2690 _1_7.1@3335.69,2690 ; _1_7.1@3335.59,2703.13 v3@3335.59,2729.5
  other v3: 3335,2730
CW: _1_1_1.8 _1_8.1@4104,2684.76 _1_8.1@4186,2685.89 | length 101.5
  Bottom Layer w19.68: _1_8.1@4104,2689.76 _1_8.1@4179.1,2689.76 ; _1_8.1@4179,2702.89 v3@4179,2729.26
  other v3: 4179.41,2730
d+: 40.2 Designator64.1 USB?.A6 USB?.B6 | length 820.6
  Top Layer w6: USB?.B6@1735.03,2169.89 v3(1791.76,2169.89) ; USB?.A6@1735.03,2209.26 v3(1791.76,2209.26) ; v3@1796,2169.89 1859.09,2232.98 2137.39,2232.98 2183.22,2278.81 2231.25,2278.81 40.2@2265,2312.56
  Top Layer w10: Designator64.1@2278,2159.89 40.2@2278,2299.56
  Bottom Layer w10: v3(1791.76,2169.89) v3(1791.76,2209.26)
d-: 41.2 Designator64.2 USB?.A7 USB?.B7 | length 1060.3
  Top Layer w6: USB?.A7@1735.03,2189.57 1798.72,2189.57 1810.6,2201.45 ; USB?.B7@1735.87,2228.1 1799.56,2228.1 1810.6,2217.06 1810.6,2201.45 ; 2295.69,2338.77 2288.43,2346.02 2233.46,2346.02 41.2@2200,2312.56 2132.42,2244.98 1854.12,2244.98 1810.6,2201.45
  Top Layer w10: 41.2@2200,2312.56 2233.58,2346.13 2288.32,2346.13 2304.5,2329.95 2304.5,2275.75 2371,2209.25 Designator64.2@2371,2145.63
dm: 41.1 U7.C15 | length 966
  Top Layer w6: 41.1@2200,2379.48 2274.08,2453.57 2564.84,2453.57 2745.67,2634.39 2988.32,2634.39 3009.66,2613.06 3009.66,2578.06 U7.C15@3014.57,2573.14
dp: 40.1 U7.B15 | length 855.6
  Top Layer w6: 40.1@2265,2379.48 2327.08,2441.57 2569.81,2441.57 2750.64,2622.39 2983.35,2622.39 2996.48,2609.27 U7.B15@2996.48,2591.24
en: 47.6 47.7 | length 50
  Top Layer w15.75: 47.7@4515,2155 47.6@4515,2205
fb: 47.1 _2.1@4451.54,2265 _2.1@4451.54,2330 _2.2@4451.54,2395 | length 560.1
  Top Layer w6: v3(4695,2105) 47.1@4735,2105
  Bottom Layer w11.81: _2.1@4451.54,2263.41 _2.1@4451.54,2265 _2.1@4451.54,2328.41 ; _2.1@4451.54,2330 _2.2@4451.54,2395 ; _2.1@4457.64,2265 4491.1,2231.54 4545.83,2231.54 4564.37,2250.08 4671.22,2250.08 4695,2226.3 v3(4695,2105)
fb2: 22.1 23.1 24.1 Designator12.3 | length 232.1
  Bottom Layer w7.87: 22.1@4376.93,2265 24.1@4376.93,2330
  Bottom Layer w9: 23.1@4310,2185 4310,2204.4 4325.6,2220 4380,2220 ; 22.1@4376.93,2265 4376.93,2223.07 4380,2220 ; v3(4405,2220) 4380,2220
GND: 3.2@1997.93,2153.61 3_1.2@1997.93,2153.61 4.2 4_1.2 5.2@1997.93,2023.61 5_1.2@1997.93,2023.61 6.1 7.1@1793.5,2936.91 8.1@1995,2936.91 8.2@2690,2913.46 10.2 12.2 14.1 17.1 18.1 20.1 20_1.1 20_1_1.1 21_2.2 23.2 35.2 45.2 46_1.2 47.8 47.9 50.2 52.2 53.2 54.2 _1_1_2.1 _1_1_3.2 _1_3.1 _1_4.1 _1_5.1 _2.2@4518.46,2265 _2.2@4584.85,2630.74 _2.2@4715,2655 _3.2 _3.8 Designator9.2 Designator10.2 Designator10_1.2 Designator12.2 Designator17.1 Designator18.1 Designator19.1 Designator20.2 Designator21.1 Designator23.2 Designator27.1 Designator29.1 Designator31.1 Designator32.1 Designator33.2 Designator34.2 Designator35.2 Designator36.2 Designator37.2 Designator38.2 Designator39.1 Designator41.1 Designator42.2 Designator43.2 Designator44.2 Designator45.2 Designator46.2 Designator47.2 Designator64.3 Designator74.2 Designator74_1.2 Designator75.2 U7.D5 U7.D6 U7.D7 U7.D8 U7.D9 U7.F2 U7.F6 U7.F7 U7.F8 U7.F9 U7.F10 U7.F12 U7.G2 U7.G6 U7.G7 U7.G8 U7.G9 U7.G10 U7.G12 U7.H6 U7.H7 U7.H8 U7.H9 U7.H10 U7.H12 U7.J6 U7.J7 U7.J8 U7.J9 U7.J10 U7.K6 U7.K7 U7.K8 U7.K9 U7.K10 U7.L4 U7.M1 U7.M8 U7.M9 U7.N1 U?2.1 USB?.13 USB?.14 USB?.15 USB?.16 USB?.A1 USB?.A12 USB?.B1 USB?.B12 X1.2 | length 3381.2
  Top Layer w6: X1.2@2725,2201.97 2746.53,2223.5 v3(2800.5,2223.5) 2827.72,2223.5 2851.71,2247.49 U7.G2@2851.71,2265.52 U7.F2@2833.62,2283.62 ; U7.D5@2851.72,2374.09 U7.D8@2906,2428.38 U7.D9@2924.1,2446.48 ; U7.M1@2924.1,2156.95 U7.N1@2942.19,2138.86 2935,2131.67 v3(2935,2117) ; v3(2956.18,2273) 2960.29,2268.9 U7.L4@2960.29,2229.33 ; U7.F12@3014.57,2464.57 U7.H12@3050.76,2428.38 ; U7.M8@3050.76,2283.62 U7.M9@3068.86,2301.71 ; _1_5.1@3647.42,2244.21 3649.85,2246.63 3681,2246.63
  Top Layer w7.87: 17.1@3752,2236.54 v3(3756.17,2240.71) 17.1@3756.88,2240 ; v3(3780,2240) 17.1@3758.3,2240 ; 17.1@3756.88,2240 3757.59,2240.71 17.1@3758.3,2240 ; 17.1@3756.88,2240 17.1@3758.3,2240
  Top Layer w10: 5.2@1997.93,2025.61 4.2@1997.93,2088.61 ; 3.2@1997.93,2155.11 3.2@1997.93,2153.61 4.2@1997.93,2088.61 ; v3@2043.02,2088.61 4.2@1997.93,2088.61 ; 18.1@2092,2546.54 v3(2102,2546.54) 2153.96,2598.5 2206,2598.5 2220,2584.5 v3(2220,2552.05) ; _3.8@2169.5,2755.5 v3(2169.5,2835.13) ; 8.2@2689.04,2912.5 20.1@2755,2846.54 2775,2826.54 Designator17.1@2775,2785 2781,2779 v3(2781,2760) v3@2781,2758.46 ; Designator9.2@2985,2860 3011.13,2860 3033.83,2837.3 3032.5,2835.97 3035,2833.47 v3(3035,2735) ; 10.2@3614.04,2910.96 3700,2825 Designator18.1@3700,2783.46 3699,2782.46 3699,2727 v3(3715,2711) ; Designator10.2@3926.54,2860 3945,2878.46 ; v3(3945,2790) 3945,2878.46 ; 21_2.2@3980,2913.46 3945,2878.46 ; 12.2@4459.04,2910.96 4545,2825 Designator19.1@4545,2783.46 v3(4545,2758.46) ; Designator10_1.2@4754.49,2860 4775.17,2860 4785.17,2850 ; v3@4782.5,2697 4785.17,2699.67 4785.17,2850 ; 50.2@4831.17,2850 4785.17,2850
  Top Layer w15.75: v3(4395,2185) Designator12.2@4404.49,2185 v3(4415,2185)
  Top Layer w20: 6.1@1592,2936.91 7.1@1793.5,2936.91 8.1@1995,2936.91 ; _1_5.1@3647.42,2244.21 17.1@3756.5,2244.21 ; 17.1@3777,2242.35 _1_3.1@3777,2366.13 ; Designator46.2@4402,2311.13 4447,2266.13 4447,2197.63 4434.37,2185 v3(4415,2185)
  Top Layer w39.37: 47.8@4515,2105 4570,2105 4625,2160 47.9@4625,2180 47.9@4625,2195.37
  Top Layer w59.06: v1(4625,2210) 4625,2282.48 4712.5,2369.98 v1(4712.5,2375)
  Bottom Layer w7.87: 23.2@4376.93,2200 4389.49,2200 4395,2194.49 v3(4395,2185)
  other v1: 4595,2150 4625,2150 4655,2150 4595,2180 4655,2180 4595,2210 4655,2210 3968,2539.2
  other v3: 1715,2073.13 2044,2087.63 2590,2111.75 2693.47,2111.75 2719.05,2194.67 1715,2325.63 3395,2373.73 3526.27,2373.73 2892.1,2376 3709.5,2566 3634.5,2631 4785,2701 4457.2,2780
H1: _1.2 U7.F15 | length 1070.1
  Top Layer w6: _1.2@2460,2535 2460,2485 2479.43,2465.57 2559.87,2465.57 2740.7,2646.39 3134.11,2646.39 v3(3176.5,2604) ; U7.F15@3068.86,2518.86 3149.94,2518.86 3201.08,2570 v3(3205,2570)
  Bottom Layer w6: v3(3176.5,2604) 3176.5,2598.5 v3(3205,2570)
H2: _1_1.2 U7.E15 | length 453.7
  Top Layer w6: U7.E15@3050.76,2536.95 3144.95,2536.95 3198.95,2590.95 3212.56,2590.95 3325.95,2477.57 3372.57,2477.57 3385,2490 _1_1.2@3385,2535
H3: _1_1_1.2 U7.D15 | length 1327.8
  Top Layer w6: U7.D15@3032.67,2555.05 3061.12,2583.5 v3(3144.5,2583.5) ; v3(3460,2480) 3474.43,2465.57 4220.57,2465.57 4230,2475 4230,2534.41 _1_1_1.2@4229.41,2535
  Bottom Layer w6: v3(3144.5,2583.5) 3254.84,2473.16 3453.16,2473.16 v3(3460,2480)
ha1: 6.4 37_1.1 39.2 | length 2519.5
  Signal Layer 1 w6: v3(1932.07,2276.8) 1961.84,2247.03 1961.84,2076.63 2025.97,2012.5 3446.66,2012.5 3489.29,2055.13 3489.29,2171.96 v3(3508.13,2190.8)
  Bottom Layer w6: 6.4@1592,2700.69 1642,2650.69 1642,2520.64 1885.84,2276.8 v3(1932.07,2276.8)
ha2: 6.3 38.2 38_1.1 | length 2658.8
  Signal Layer 1 w6: v3(1932.07,2339.47) 1973.84,2297.69 1973.84,2081.6 2030.94,2024.5 3441.69,2024.5 3477.29,2060.1 3477.29,2223.62 v3(3508.13,2254.47)
  Bottom Layer w6: 6.3@1592,2779.43 1654,2717.43 1654,2525.61 1840.14,2339.47 v3(1932.07,2339.47)
ha3: 6.2 37.2 39_1.1 | length 2798.2
  Signal Layer 1 w6: v3(1932.07,2402.13) 1932.07,2400.85 1985.84,2347.08 1985.84,2086.57 2035.91,2036.5 3436.72,2036.5 3465.29,2065.07 3465.29,2275.29 v3(3508.13,2318.13)
  Bottom Layer w6: 6.2@1592,2858.17 1666,2784.17 1666,2530.58 1794.45,2402.13 v3(1932.07,2402.13)
hall1: 37_1.2 Designator44.1 U7.H15 | length 594.9
  Top Layer w6: U7.H15@3105.05,2482.67 v3(3151.17,2482.67)
  Signal Layer 2 w6: v3@3142.5,2230.85 v3(3142.5,2235.35) 3151.17,2244.01 v3(3151.17,2482.67)
  Bottom Layer w6: v3(3142.5,2235.35) 3297.79,2235.35 Designator44.1@3303,2230.13 3325.5,2207.63 37_1.2@3424.37,2207.63